# Altium PCB RYA_KiteUp.PcbDoc (part 1 of 3)
Units mil, origin at the board's own origin, x right, y up, seen from the top; angles counter-clockwise.
Board outline 3989.4 x 6289.4 mil, 2 copper layers (Top Layer, Bottom Layer); 144 components, 104 nets, 490 pads, 1685 vias.
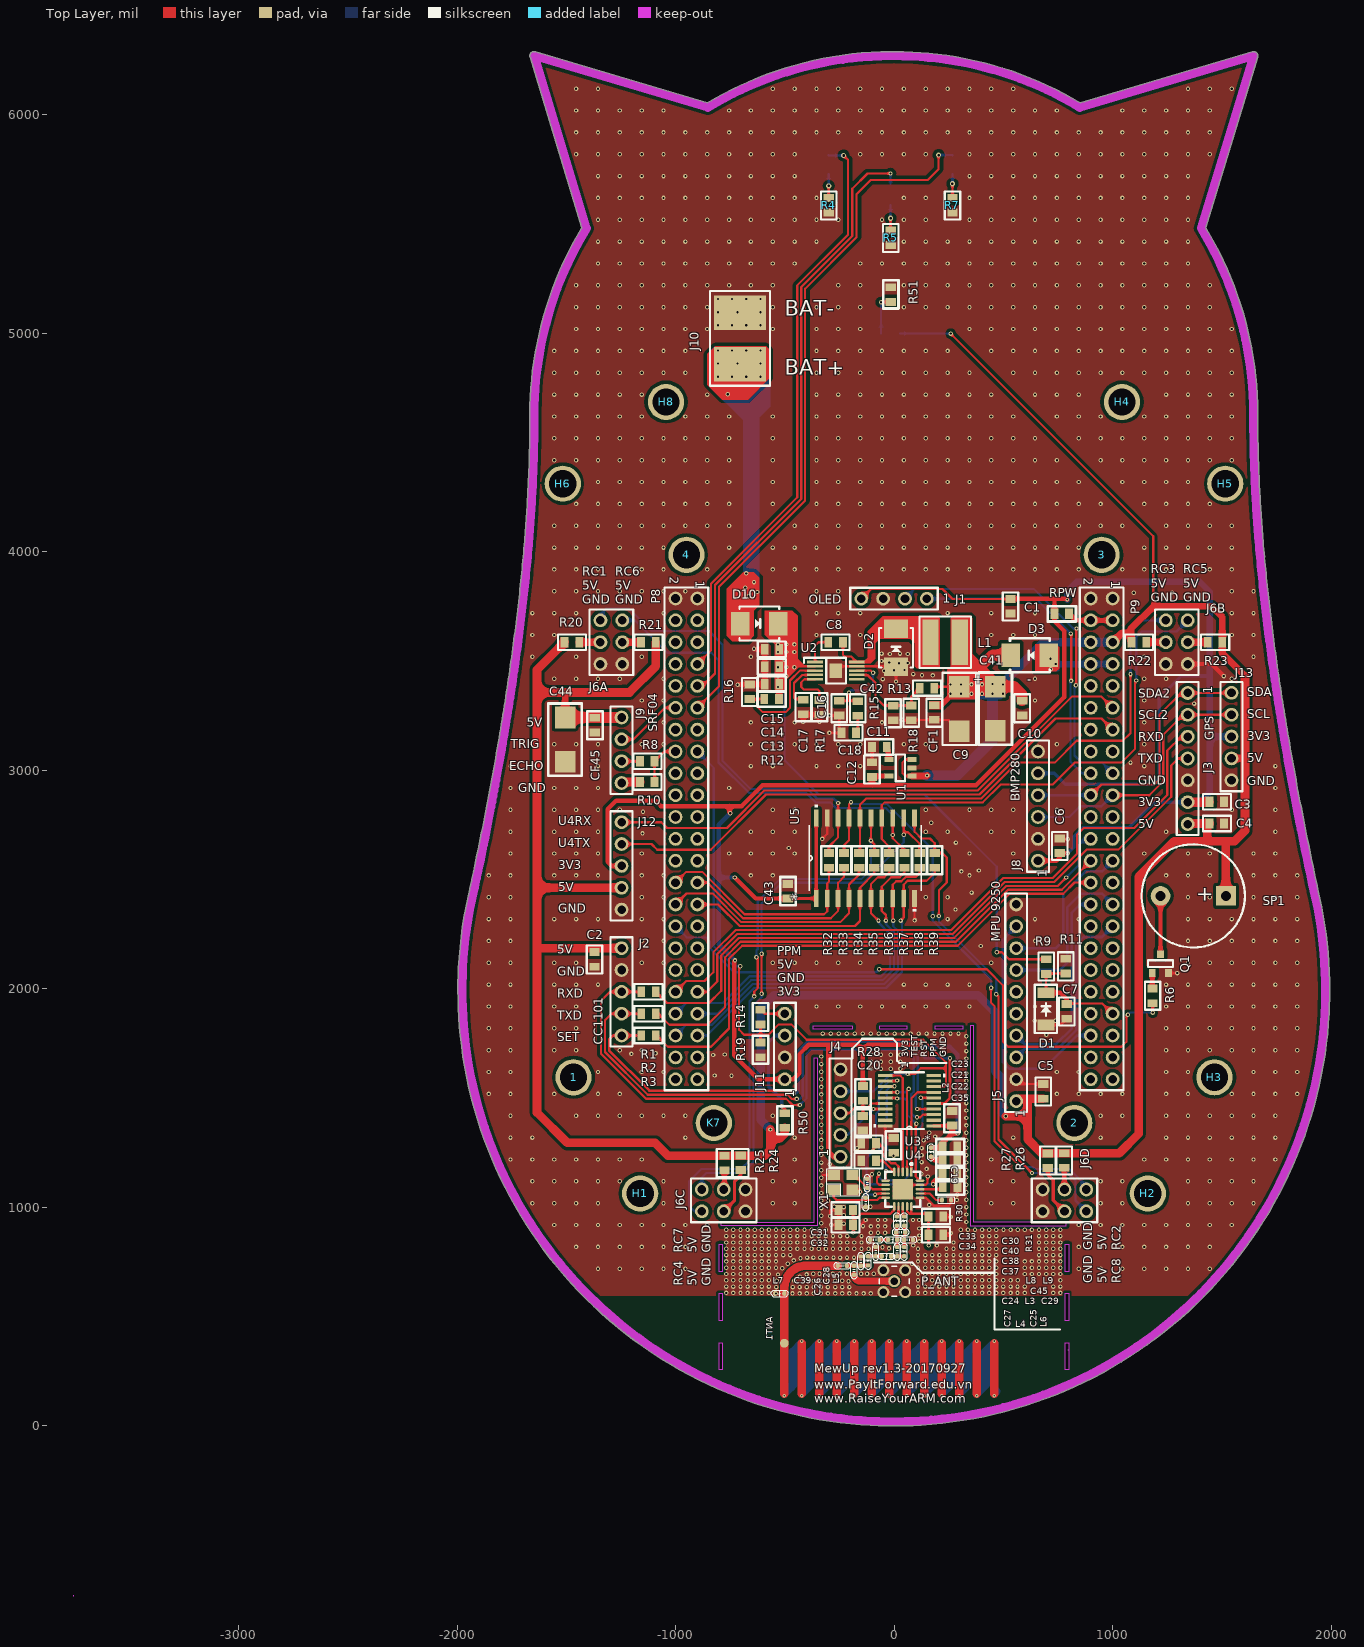
[diagram p0: Top Layer view]
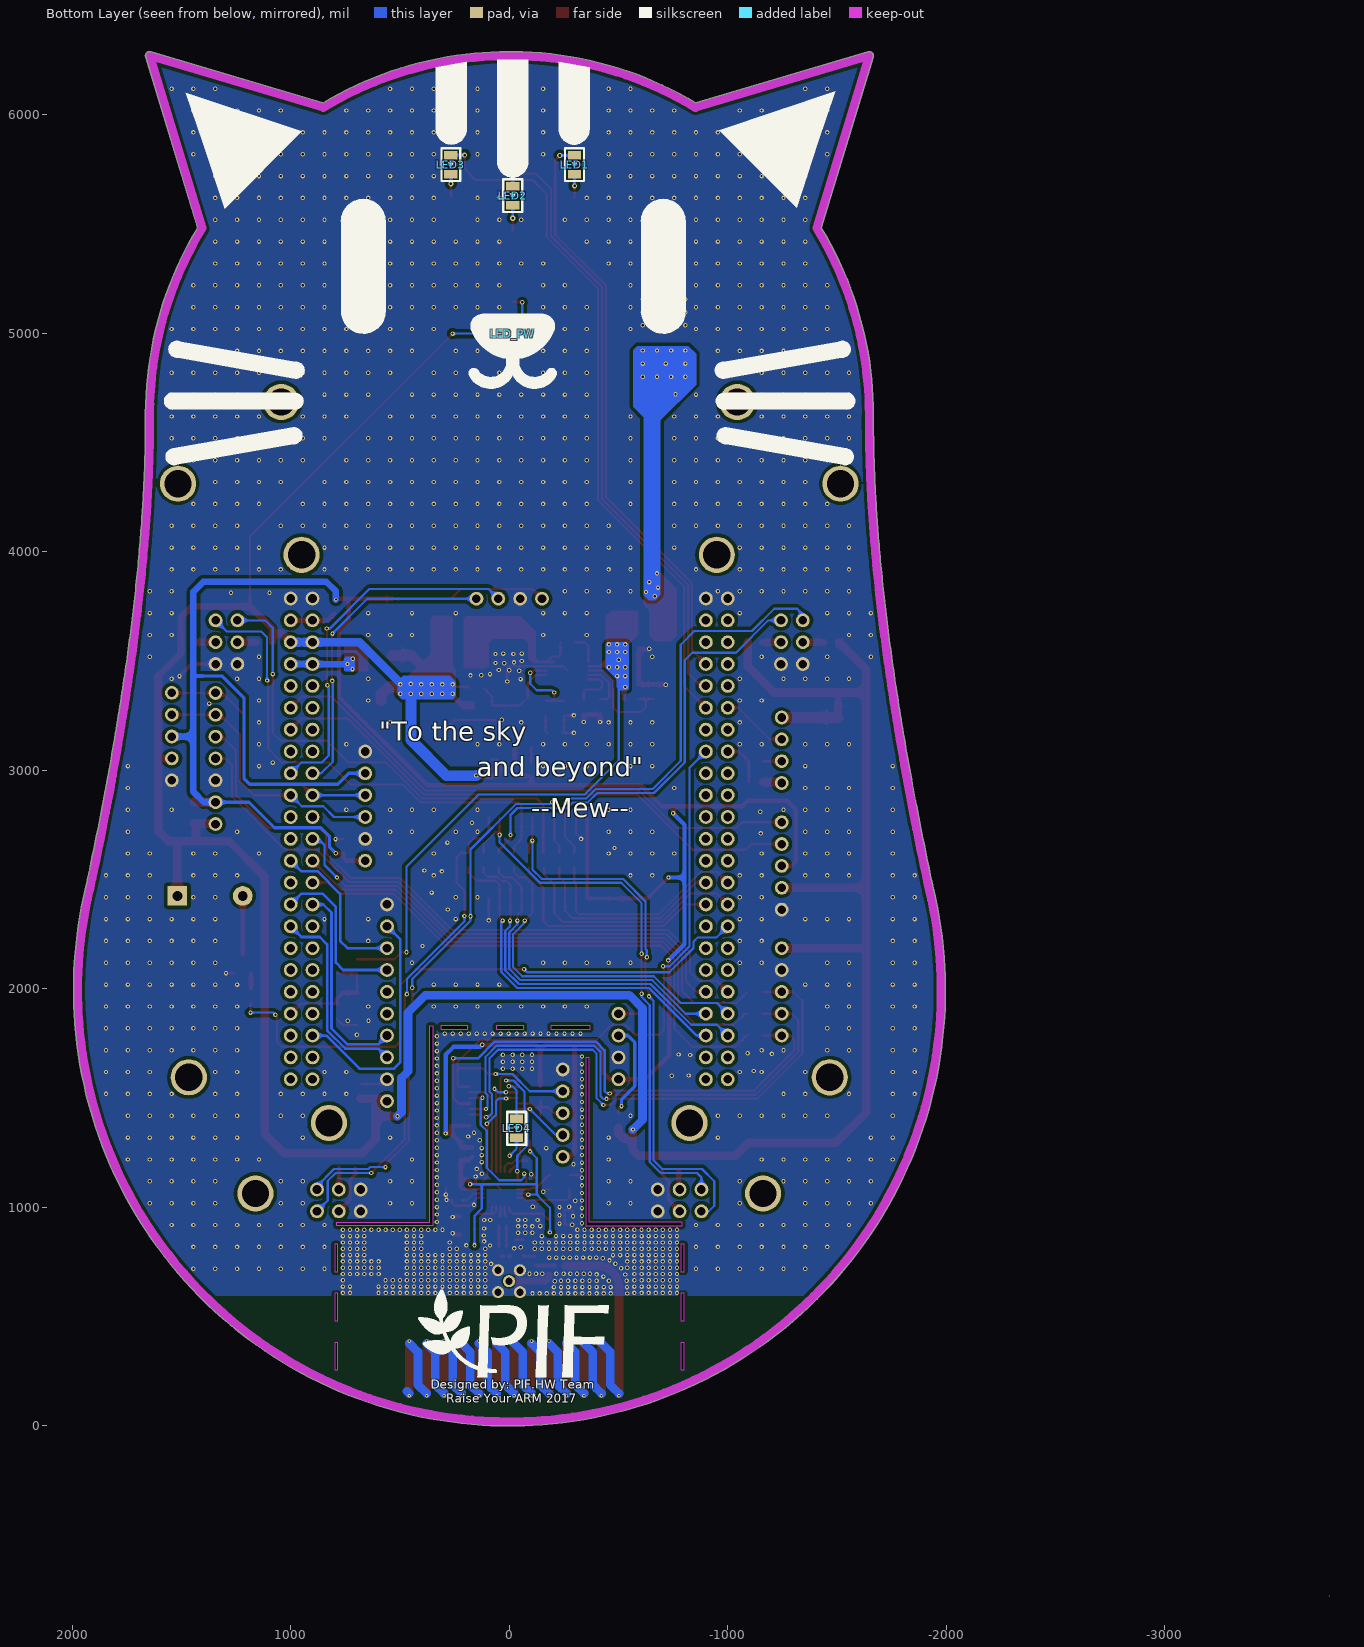
[diagram p1: Bottom Layer view, seen from below]

## Layer stack, top to bottom
Top Solder: solder mask 0.4, Solder Resist, Dk 3.5
Top Layer: signal copper 1.4
Dielectric1: dielectric 12.6, FR-4, Dk 4.8
Bottom Layer: signal copper 1.4
Bottom Solder: solder mask 0.4, Solder Resist, Dk 3.5

## Board outline
5782 vertices, not listed, extent -1995.79,-0.56 1993.61,6288.84
cut-out: -786.1,255.94 -801.1,255.94 -801.1,380.94 -786.1,380.94
cut-out: 798.9,705.94 783.9,705.94 783.9,830.94 798.9,830.94
cut-out: 798.9,480.94 783.9,480.94 783.9,605.94 798.9,605.94
cut-out: 798.9,255.94 783.9,255.94 783.9,380.94 798.9,380.94
cut-out: -786.1,480.94 -801.1,480.94 -801.1,605.94 -786.1,605.94
cut-out: -786.1,705.94 -801.1,705.94 -801.1,830.94 -786.1,830.94
cut-out: 58.9,1815.94 -66.1,1815.94 -66.1,1830.94 58.9,1830.94
cut-out: 313.9,1815.94 188.9,1815.94 188.9,1830.94 313.9,1830.94
cut-out: -191.1,1815.94 -370,1815.94 -370,1830.94 -191.1,1830.94
cut-out: 788.9,930.94 363.9,930.94 363.9,1830.94 348.9,1830.94 348.9,915.94 788.9,915.94
cut-out: -351.1,915.94 -791.1,915.94 -791.1,930.94 -366.1,930.94 -366.1,1684 -351.1,1684

## Design rules (kind name [scope] priority, off if disabled: settings)
Clearance Poligon_Antenna [InNet('PCB_ANT')    OR InNet('NetC26_2')] p1: gap=6 ignorepadtopadclearanceinfootprint=FALSE except(0: Arc-Hole Track-Hole SMDPad-Hole THPad-Hole Via-Hole Fill-Hole Poly-Hole Region-Hole Text-Hole)
Clearance Poligon [InPolygon] p2: gap=15 ignorepadtopadclearanceinfootprint=FALSE except(0: Arc-Hole Track-Hole SMDPad-Hole THPad-Hole Via-Hole Fill-Hole Poly-Hole Region-Hole Text-Hole)
Clearance "IC class" [InComponent('U2') OR InComponent('U4')] p3: gap=6 ignorepadtopadclearanceinfootprint=FALSE except(0: Arc-Hole Track-Hole SMDPad-Hole THPad-Hole Via-Hole Fill-Hole Poly-Hole Region-Hole Text-Hole)
Clearance [All] p4: gap=8 ignorepadtopadclearanceinfootprint=FALSE except(0: Arc-Hole Track-Hole SMDPad-Hole THPad-Hole Via-Hole Fill-Hole Poly-Hole Region-Hole Text-Hole)
ComponentClearance [NOT (InComponent('U5') OR InComponent('R32') OR InComponent('R33') OR InComponent('R34') OR InComponent('R35') OR InComponent('R36') OR InComponent('R37') OR InComponent('R38') OR InComponent('R39'))] p1: gap=10 collisioncheckmode=3 verticalgap=0 showdistances=FALSE
Height [All] p1: minheight=0 maxheight=1500 prefheight=500
HoleSize [All] p1: absolutevalues=TRUE maxlimit=500 minlimit=1 maxpercent=80.000 minpercent=20.000
MatchedLengths I2C2 [InNet('I2C2_SCL') Or InNet('I2C2_SDA')] p1 off: tolerance=19.68 checknetsindiffpair=TRUE checkdiffpairvsdiffpair=FALSE checkxsignals=FALSE checkothers=FALSE
MatchedLengths I2C1 [InNet('I2C1_SCL') Or InNet('I2C1_SDA')] p2 off: tolerance=19.68 checknetsindiffpair=FALSE checkdiffpairvsdiffpair=TRUE checkxsignals=TRUE checkothers=TRUE
MinimumSolderMaskSliver [All] p1 off: minsoldermaskwidth=4
NetAntennae [NOT InNet('PCB_ANT')] p1: netantennaetolerance=0
PlaneConnect [All] p1: planeconnectstyle=Direct reliefexpansion=20 reliefentries=4 reliefconductorwidth=10 reliefairgap=10
PolygonConnect [All] p1: connectstyle=Direct reliefconductorwidth=10 reliefentries=4 polygonreliefangle="90 Angle" airgapwidth=10
RoomDefinition RF [InComponentClass('RF')] p1 off: confinementstyle=ConfineIn formatcopy=TRUE lockcomponents=FALSE outline -3755,-781 -1755,-781 -1755,219 -3755,219
RoomDefinition RYA_KiteUp [InComponentClass('RYA_KiteUp')] p2 off: confinementstyle=ConfineIn formatcopy=TRUE lockcomponents=FALSE outline -3755,-781 -1755,-781 -1755,219 -3755,219
RoutingVias Power [InNet('GND') Or InNet('3V3') Or InNet('5V')Or InNet('VBAT')] p1: holewidth=10 width=20 viastyle="Through Hole" minholewidth=6 minwidth=12 maxholewidth=200 maxwidth=250
RoutingVias RoutingVias_1 [All] p2: holewidth=10 width=20 viastyle="Through Hole" minholewidth=8 minwidth=16 maxholewidth=80 maxwidth=100
SilkToSilkClearance [All] p1 off: silktosilkclearance=10
SilkToSolderMaskClearance [IsPad] p1 off: minsilkscreentomaskgap=10 clearancetoexposedcopper=TRUE
SolderMaskExpansion [All] p1: expansion=4
Width "Power Width" [InNet('GND') Or InNet('3V3') Or InNet('5V') Or InNet('VBAT')] p1: maxlimit=200 minlimit=10 preferedwidth=40 minimp=50.000000 maximp=50.000000 favimp=50.000000
Width [All] p2: maxlimit=200 minlimit=6 preferedwidth=10 minimp=50.000000 maximp=50.000000 favimp=50.000000
22 further rules are at their usual default settings.

## Classes and differential pairs
component class RYA_KiteUp: 1 2 3 4 C1 C2 C3 C4 C5 C6 C7 C8 C9 C10 C11 C12 C13 C14 C15 C16 C17 C18 C41 C42 C43 C44 CF1 CF45 D1 D2 D3 D10 H1 H2 H3 H4 H5 H6 H8 J1 J2 J3 J5 J6A J6B J6C J6D J8 J9 J10 J11 J12 J13 K7 L1 LED1 LED2 LED3 LED_PW P8 P9 Q1 R1 R2 R3 R4 R5 R6 R7 R8 R9 R10 R11 R12 R13 R14 R15 R16 R17 R18 R19 R20 R21 R22 R23 R24 R25 R26 R27 R32 R33 R34 R35 R36 R37 R38 R39 R50 R51 R? RPW SP1 U1 U2 U5
component class RF: ANT1 C19 C20 C21 C22 C23 C24 C25 C26 C27 C28 C29 C30 C31 C32 C33 C34 C35 C37 C38 C39 C40 C45 J4 L2 L3 L4 L5 L6 L7 L8 L9 LED4 P_ANT R28 R30 R31 U3 U4 X1

## Components (designator, comment, footprint, x,y, rotation, side; value= is the part's Value field where it differs from the comment)
1 "Hole" Screw_3.2 -1466.8,1594.76 r90 top
2 "Hole" Screw_3.2 825.03,1385.93 r90 top
3 "Hole" Screw_3.2 950.03,3985.93 r90 top
4 "Hole" Screw_3.2 -949.97,3985.93 r90 top
ANT1 "Socket" 433_Antenna -502.1,377.94 r0 top
C1 "100nF" "CAP 0603(1508)" 532.9,3716.94 r90 top
C2 "100nF" "CAP 0603(1508)" -1371.1,2100.94 r90 top
C3 "100nF" "CAP 0603(1508)" 1509.9,2755.94 r180 top
C4 "100nF" "CAP 0603(1508)" 1509.9,2855.94 r180 top
C5 "100nF" "CAP 0603(1508)" 682,1497 r90 top
C6 "100nF" "CAP 0603(1508)" 757.9,2620.94 r90 top
C7 "1uF" "CAP 0603(1508)" 789.9,1862.94 r90 top
C8 "0.1uF" "CAP 0603(1508)" -301.1,3585.94 r0 top
C9 "47uF-tanta" CAP_TAN_2312(6032) 298.9,3280.94 r270 top
C10 "1uF" "CAP 0603(1508)" 586,3251 r90 top
C11 "0.01uF" "CAP 0603(1508)" -100.9,3106.06 r0 top
C12 "2.2uF" "CAP 0603(1508)" -100.9,3036.06 r270 top
C13 "2.2uF" "CAP 0603(1508)" -592.29,3393.15 r0 top
C14 "2.2uF" "CAP 0603(1508)" -592.29,3473.19 r0 top
C15 "0.1uF" "CAP 0603(1508)" -592.29,3553.23 r0 top
C16 "10pF" "CAP 0603(1508)" -251.1,3250.94 r90 top
C17 "0.01uF" "CAP 0603(1508)" -416.1,3255.94 r90 top
C18 "2.2nF" "CAP 0603(1508)" -241.1,3170.94 r0 top
C19 "0.1uF" "CAP 0603(1508)" 266,1374.07 r90 top
C20 "1nF" "CAP 0603(1508)" -143.44,1418.22 r270 top
C21 "0.1uF" "CAP 0603(1508)" 289,1216.15 r180 top
C22 "2.2UF 10V X5R 0603" "CAP 0603(1508)" 289,1155 r180 top
C23 "4.7UF 10V X5R 0603" "CAP 0603(1508)" 289,1277.3 r180 top
C24 "" C0402_TYPE2 -88.1,851.94 r0 top
C25 "" C0402_TYPE2 13.9,796.94 r270 top
C26 "" C0402_TYPE2 -183.1,711.94 r270 top
C27 "" C0402_TYPE2 -84.1,796.94 r270 top
C28 "" C0402_TYPE2 -152.1,753.94 r270 top
C29 "" C0402_TYPE2 65.9,851.94 r0 top
C30 "0.1uF" "CAP 0603(1508)" -150.1,1292.94 r0 top
C31 "0.1uF" "CAP 0603(1508)" -254.43,987.98 r0 top
C32 "0.1uF" "CAP 0603(1508)" -254.43,919.91 r0 top
C33 "0.1uF" "CAP 0603(1508)" 224.9,957.98 r180 top
C34 "0.1uF" "CAP 0603(1508)" 224.9,874.91 r180 top
C35 "0.1uF" "CAP 0603(1508)" 289.9,1092.94 r180 top
C37 "10pF-50V" C0402_TYPE2 -130.1,1022.94 r90 top
C38 "10pF-50V" C0402_TYPE2 -123.1,1109.94 r270 top
C39 "" C0402_TYPE2 -237.1,732.94 r180 top
C40 "0.1uF" "CAP 0603(1508)" -150.1,1212.94 r0 top
C41 "47uF-tanta" CAP_TAN_2312(6032) 463,3281.85 r270 top
C42 "10pF" "CAP 0603(1508)" -4,3228.5 r90 top
C43 "100nF" "CAP 0603(1508)" -486,2480 r270 top
C44 "47uF-tanta" CAP_TAN_2312(6032) -1505,3140 r270 top
C45 "" C0402_TYPE2 30,886 r0 top
CF1 "0.1uF" "CAP 0603(1508)" 183.9,3230.59 r90 top
CF45 "0.1uF" "CAP 0603(1508)" -1369,3173.07 r90 top
D1 "ZMM1.8V" ZMM1.8V 694.9,1907.94 r90 top
D2 "SS24" SS24 8.9,3560.94 r90 top
D3 "SS14" SS24 621,3526 r180 top
D10 "SS14" SS24 -616.1,3670.94 r0 top
H1 "Hole" Screw_3.2 -1161.68,1063.27 r0 top
H2 "Hole" Screw_3.2 1161.15,1063.27 r0 top
H3 "Hole" Screw_3.2 1466.27,1594.76 r0 top
H4 "Hole" Screw_3.2 1043.04,4685.31 r0 top
H5 "Hole" Screw_3.2 1515.48,4311.3 r0 top
H6 "Hole" Screw_3.2 -1516.01,4311.3 r0 top
H8 "Hole" Screw_3.2 -1043.57,4685.31 r0 top
J1 "OLED" "Header 4" -0.1,3784.94 r180 top
J2 "CC1101" "Header 5" -1247.04,1985.93 r90 top
J3 "GPS_Compass" "Header 7" 1343.82,3053.78 r270 top locked
J4 "Header 5" "Header 5" -245.1,1430.94 r90 top
J5 "MPU9250" "Header 10" 559,1936 r90 top
J6A "Header 3x2" "Header 3x2" -1293.67,3585.93 r270 top locked
J6B "Header 3x2" "Header 3x2" 1293.73,3585.93 r270 top locked
J6C "Header 3x2" "Header 3x2" -779.69,1031.6 r0 top
J6D "Header 3x2" "Header 3x2" 779.76,1031.6 r180 top locked
J8 "BMP-280" "Header 6" 658.79,2835.93 r90 top
J9 "SRF05" "Header 4" -1247.04,3091.51 r270 top
J10 "Battery In" BATTERYPAD -705.1,4975.94 r90 top
J11 "RC IN" "Header 4" -499.97,1735.93 r90 top locked
J12 "Header 5" "Header 5" -1247.04,2562.27 r270 top
J13 "Header 5" "Header 5" 1544.12,3154.17 r270 top
K7 "Hole" Screw_3.2 -824.97,1385.93 r0 top
L1 "10uH" "Inductor SMD 48x48x28mm" 233.9,3585.94 r270 top
L2 "" L0402_TYPE2 169,1252 r90 top
L3 "" L0402_TYPE2 -6.1,851.94 r0 top
L4 "" L0402_TYPE2 -35.1,775.94 r0 top
L5 "" L0402_TYPE2 -119.1,754.94 r90 top
L6 "" L0402_TYPE2 45.9,796.94 r90 top
L7 "" L0402_TYPE2 -523.1,605.94 r180 top
L8 "" L0402_TYPE2 13,937 r90 top
L9 "" L0402_TYPE2 47,937 r90 top
LED1 "LED_BLUE" LED0805BLUE -299,5771 r270 bottom value=Blue
LED2 "LED_BLUE" LED0805BLUE -16.1,5628.94 r270 bottom value=Blue
LED3 "LED_BLUE" LED0805BLUE 267,5771 r270 bottom value=Blue
LED4 "LED_BLUE" LED0805BLUE -33.51,1361 r270 bottom value=Blue
LED_PW "LED_BLUE" LED0805BLUE -16,4998 r180 bottom value=Blue
P8 "P8" "Header 46" -949.97,2685.93 r270 top locked
P9 "P9" "Header 46" 950.03,2685.93 r270 top locked
P_ANT "COAX-M" MMCX2.54-V5 0.9,661.94 r0 top
Q1 "MMBT3904" MMBT3904 1219,2115 r0 top
R1 "0" "RES 0603(1508)" -1157.1,1985.94 r0 top
R2 "0" "RES 0603(1508)" -1157.1,1885.94 r0 top
R3 "0" "RES 0603(1508)" -1157.1,1785.94 r0 top
R4 "1k" "RES 0603(1508)" -299,5552 r90 top
R5 "1k" "RES 0603(1508)" -15,5403.07 r90 top
R6 "10k" "RES 0603(1508)" 1183,2000.93 r270 top
R7 "1k" "RES 0603(1508)" 267,5552 r90 top
R8 "2.7k" "RES 0603(1508)" -1095.9,3040.94 r180 top
R9 "10k" "RES 0603(1508)" 695.9,2134.94 r270 top
R10 "4.7k" "RES 0603(1508)" -1095.9,2945.94 r180 top
R11 "1k" "RES 0603(1508)" 785,2070 r90 top
R12 "332k" "RES 0603(1508)" -526.94,3325.94 r180 top
R13 "52.3k" "RES 0603(1508)" 183.9,3375.94 r180 top
R14 "2k7, 1/4W" "RES 0603(1508)" -610.94,1903.9 r270 top
R15 "90.9k" "RES 0603(1508)" -166.1,3316.3 r270 top
R16 "61.9k" "RES 0603(1508)" -661.1,3325.94 r90 top
R17 "90.9k" "RES 0603(1508)" -341.1,3321.3 r270 top
R18 "10k" "RES 0603(1508)" 78.9,3295.94 r270 top
R19 "4k7, 1/4W (DNP)" "RES 0603(1508)" -610.94,1753.9 r270 top
R20 "0R (DNP)" "RES 0603(1508)" -1441.1,3585.94 r180 top
R21 "0R" "RES 0603(1508)" -1091.1,3585.94 r180 top
R22 "0R (DNP)" "RES 0603(1508)" 1153.9,3585.94 r180 top
R23 "0R (DNP)" "RES 0603(1508)" 1502.01,3585.93 r180 top
R24 "0R (DNP)" "RES 0603(1508)" -701.1,1170.59 r90 top
R25 "0R (DNP)" "RES 0603(1508)" -776.1,1235.94 r270 top
R26 "0R (DNP)" "RES 0603(1508)" 778.9,1180.94 r90 top
R27 "0R (DNP)" "RES 0603(1508)" 703.9,1246.3 r270 top
R28 "47K, 1/4W" "RES 0603(1508)" -142.54,1554.91 r270 top
R30 "56k-1%" R0402_TYPE2 239.9,1032.94 r180 top
R31 "1k" "RES 0603(1508)" -2,1317 r270 top
R32 "0R-DNP" "RES 0603(1508)" -298,2620.93 r270 top
R33 "0R-DNP" "RES 0603(1508)" -228.86,2620.93 r270 top
R34 "0R-DNP" "RES 0603(1508)" -159.71,2620.93 r270 top
R35 "0R-DNP" "RES 0603(1508)" -90.57,2620.93 r270 top
R36 "0R-DNP" "RES 0603(1508)" -21.43,2620.93 r270 top
R37 "0R-DNP" "RES 0603(1508)" 47.71,2620.93 r270 top
R38 "0R-DNP" "RES 0603(1508)" 116.86,2620.93 r270 top
R39 "0R-DNP" "RES 0603(1508)" 186,2620.93 r270 top
R50 "0R-DNP" "RES 0603(1508)" -500.04,1430.93 r270 top
R51 "2.7k" "RES 0603(1508)" -15,5209.93 r270 top
RPW "0R (DNP)" "RES 0603(1508)" 801,3716 r180 top
SP1 "Speaker" Buzzer 1369,2425 r180 top
U1 "LP2985" LP2985 29.1,3011.06 r90 top
U2 "TPS54160" TPS54160 -266.1,3455.94 r270 top
U3 "MSP430G2553_PW_2" PW20 70.1,1487.98 r180 top locked value=Value
U4 "CC110LRGPR" VQFN20 39.9,1082.94 r270 top locked
U5 "SN74HCT245_DB_20" DW20 -131,2598 r90 top locked value=Value
X1 "26.0000MHZ" Crystal-3.2x2.5 -276.1,1080.94 r0 top

## Footprints (in the part's own frame and the unit in brackets; to place one, negate y for a bottom-side part, rotate by r counter-clockwise, add the part's x,y. Pads: shape width x height; smd on the part's side, far side on the other; paste and mask are expansions set on the pad)
433_Antenna [mil]
  round 40 / inner round 0 / far side round 0 all layers, no hole: 1(0,0)
  Top Layer lines w40: 0,-230 0,0 ; 80,-230 80,0 ; 160,-230 160,0 ; 240,-230 240,0 ; 320,-230 320,0 ; 400,-230 400,0 ; 480,-230 480,0 ; 560,-230 560,0 ; 640,-230 640,0 ; 720,-230 720,0 ; 800,-230 800,0 ; 880,-230 880,0 ; 960,-230 960,0
  Bottom Layer lines w40: 0,-230 30,-200 40,-190 40,-40 80,0 ; 80,-230 120,-190 120,-40 160,0 ; 160,-230 200,-190 200,-40 240,0 ; 240,-230 280,-190 280,-40 320,0 ; 320,-230 360,-190 360,-40 400,0 ; 400,-230 440,-190 440,-40 480,0 ; 480,-230 520,-190 520,-40 560,0 ; 560,-230 600,-190 600,-40 640,0 ; 640,-230 680,-190 680,-40 720,0 ; 720,-230 760,-190 760,-40 800,0 ; 800,-230 840,-190 840,-40 880,0 ; 880,-230 920,-190 920,-40 960,0 ; 960,-230 970,-220
BATTERYPAD [mm]
  rect 4x6 smd mask+0.1: 1(-3,0) 2(3,0)
  silkscreen extent -5.5,-3.5 5.5,3.5
Buzzer [mil]
  rect 90x90 hole 45: 1(-149.61,0)
  round 90 hole 45: 2(149.61,0)
  silkscreen extent -236,-236 236,236, body extent -372,-236 237,236, height 380
C0402_TYPE2 [mm]
  oval 0.5x0.6 smd: 1(-0.533,0) 2(0.533,0)
  silkscreen extent -0.99,-0.37 0.98,0.37, body extent -0.5,-0.25 0.5,0.25, height 0.5
"CAP 0603(1508)" [mm] "Capacitor 0603"
  rect 0.9x1.2 smd mask+0.1: 1(0,0) 2(1.7,0)
  silkscreen extent -0.8,-0.9 2.46,0.9, body extent 0.05,-0.43 1.65,0.43, height 0.83
CAP_TAN_2312(6032) [mm] "Tantalum Capacitor type C 6032"
  rect 2.5x2.4 smd mask+0.1: 1(-2.575,0) 1(-2.575,0) 2(2.575,0)
  silkscreen extent -4.2,-1.95 4.2,1.95, body extent -3.15,-1.75 3.15,1.75, height 2.8
Crystal-3.2x2.5 [mm] "DSX321G"
  rect 1.4x1.2 smd: 1(0,0) 2(2.2,0) 3(2.2,1.7) 4(0,1.7)
  silkscreen extent -0.8,-0.7 3,2.4, body extent -0.52,-0.37 2.68,2.13, height 0.93
DW20 [mil]
  rect 78x22 smd: 1(-184.5,225) 2(-184.5,175) 3(-184.5,125) 4(-184.5,75) 5(-184.5,25) 6(-184.5,-25) 7(-184.5,-75) 8(-184.5,-125) 9(-184.5,-175) 10(-184.5,-225) 11(184.5,-225) 12(184.5,-175) 13(184.5,-125) 14(184.5,-75) 15(184.5,-25) 16(184.5,25) 17(184.5,75) 18(184.5,125) 19(184.5,175) 20(184.5,225)
  silkscreen extent -244,-256 244,256, body extent -210,-256 210,256, height 104
"Header 3x2" [mm]
  round 1.6 hole 1 mask+0.1: 1(-2.54,-1.27) 2(-2.54,1.27) 3(0,-1.27) 4(0,1.27) 5(2.54,-1.27) 6(2.54,1.27)
  silkscreen extent -3.81,-2.54 3.81,2.54, body extent -3.85,-2.55 3.77,2.53, height 8.5
"Header 4" [mm]
  round 1.6 hole 1 mask+0.1: 1(-3.81,0) 2(-1.27,0) 3(1.27,0) 4(3.81,0)
  silkscreen extent -5.08,-1.27 5.08,1.27, body extent -5.08,-1.27 5.08,1.27, height 6.02
"Header 5" [mm]
  round 1.6 hole 1 mask+0.1: 1(-5.08,0) 2(-2.54,0) 3(0,0) 4(2.54,0) 5(5.08,0)
  silkscreen extent -6.35,-1.27 6.35,1.27, body extent -6.35,-1.27 6.35,1.27, height 6.02
"Header 6" [mm]
  round 1.6 hole 1 mask+0.1: 1(-6.35,0) 2(-3.81,0) 3(-1.27,0) 4(1.27,0) 5(3.81,0) 6(6.35,0)
  silkscreen extent -7.62,-1.27 7.62,1.27, body extent -7.62,-1.27 7.62,1.27, height 6.02
"Header 7" [mm]
  round 1.6 hole 1 mask+0.1: 1(-7.62,0) 2(-5.08,0) 3(-2.54,0) 4(0,0) 5(2.54,0) 6(5.08,0) 7(7.62,0)
  silkscreen extent -8.89,-1.27 8.89,1.27, body extent -8.89,-1.27 8.89,1.27, height 6.02
"Header 10" [mm]
  round 1.6 hole 1 mask+0.1: 1(-11.43,0) 2(-8.89,0) 3(-6.35,0) 4(-3.81,0) 5(-1.27,0) 6(1.27,0) 7(3.81,0) 8(6.35,0) 9(8.89,0) 10(11.43,0)
  silkscreen extent -12.7,-1.27 12.7,1.27, body extent -12.7,-1.27 12.7,1.27, height 6.02
"Header 46" [mm]
  round 1.6 hole 1 mask+0.1: 1(-27.94,1.27) 2(-27.94,-1.27) 3(-25.4,1.27) 4(-25.4,-1.27) 5(-22.86,1.27) 6(-22.86,-1.27) 7(-20.32,1.27) 8(-20.32,-1.27) 9(-17.78,1.27) 10(-17.78,-1.27) 11(-15.24,1.27) 12(-15.24,-1.27) 13(-12.7,1.27) 14(-12.7,-1.27) 15(-10.16,1.27) 16(-10.16,-1.27) 17(-7.62,1.27) 18(-7.62,-1.27) 19(-5.08,1.27) 20(-5.08,-1.27) 21(-2.54,1.27) 22(-2.54,-1.27) 23(0,1.27) 24(0,-1.27) 25(2.54,1.27) 26(2.54,-1.27) 27(5.08,1.27) 28(5.08,-1.27) 29(7.62,1.27) 30(7.62,-1.27) 31(10.16,1.27) 32(10.16,-1.27) 33(12.7,1.27) 34(12.7,-1.27) 35(15.24,1.27) 36(15.24,-1.27) 37(17.78,1.27) 38(17.78,-1.27) 39(20.32,1.27) 40(20.32,-1.27) 41(22.86,1.27) 42(22.86,-1.27) 43(25.4,1.27) 44(25.4,-1.27) 45(27.94,1.27) 46(27.94,-1.27)
  silkscreen extent -29.21,-2.54 29.21,2.54, body extent -29.24,-2.57 29.18,2.51, height 5.94
"Inductor SMD 48x48x28mm" [mm]
  rect 5.3x1.9 smd mask+0.1: 1(0,-1.7) 2(0,1.7)
  silkscreen extent -3,-3 3,3, body extent -2.4,-2.4 2.4,2.4, height 2.7
L0402_TYPE2 [mm]
  oval 0.5x0.6 smd: 1(-0.533,0) 2(0.533,0)
  silkscreen extent -0.98,-0.37 0.99,0.37, body extent -0.5,-0.3 0.5,0.3, height 0.5
LED0805BLUE [mm] "598 series"
  rect 1x1.55 smd mask+0.1: 1(-1.1,0) 2(1.1,0)
  silkscreen extent -1.91,-1.1 1.9,1.1, body extent -1.01,-0.63 1.01,0.62, height 1.1
LP2985 [mm]
  rect 0.6x1.05 smd mask+0.07: 1(-0.95,-1.35) 2(0,-1.35) 3(0.95,-1.35) 4(0.95,1.35) 5(-0.95,1.35)
  silkscreen extent -1.55,-0.55 1.55,0.55, body extent -1.52,-1.5 1.53,1.5, height 1.3
MMBT3904 [mm] "NPN 40V transistor"
  rect 0.8x0.9 smd mask+0.1: 1(-0.95,-1.1) 2(0.95,-1.1) 3(0,1.1)
  silkscreen extent -1.45,-0.39 1.45,0.39, body extent -1.44,-1.18 1.46,1.19, height 1
MMCX2.54-V5 [mm] "Connector; RF Coaxial, MMCX, Thru-Hole; 5 Position; Vertical"
  round 1.4 hole 0.85: 1(0,0) 2(-1.27,-1.27) 3(1.27,-1.27) 4(1.27,1.27) 5(-1.27,1.27)
  silkscreen extent -1.75,-1.75 1.75,1.75
PW20 [mil]
  rect 66x14 smd: 1(-111,115.16) 2(-111,89.57) 3(-111,63.98) 4(-111,38.39) 5(-111,12.8) 6(-111,-12.8) 7(-111,-38.39) 8(-111,-63.98) 9(-111,-89.57) 10(-111,-115.16) 11(111,-115.16) 12(111,-89.57) 13(111,-63.98) 14(111,-38.39) 15(111,-12.8) 16(111,12.8) 17(111,38.39) 18(111,63.98) 19(111,89.57) 20(111,115.16)
  silkscreen extent -164,-130 164,130, body extent -130,-130 130,130, height 47
R0402_TYPE2 [mm]
  oval 0.5x0.6 smd: 1(-0.533,0) 2(0.533,0)
  silkscreen extent -0.98,-0.37 0.99,0.37, body extent -0.5,-0.25 0.5,0.25, height 0.35
"RES 0603(1508)" [mm] "Resistor 0603"
  rect 0.9x1.2 smd mask+0.1: 1(0,0) 2(1.7,0)
  silkscreen extent -0.8,-0.9 2.46,0.9, body extent 0,-0.4 1.7,0.4, height 0.56
Screw_3.2 [mil]
  oval 166x165 hole 125: 1(0,0)
SS24 [mil]
  rect 85x107.99 smd mask+3.94: 1(-87.01,0) 2(87.01,0)
  silkscreen extent -91,-78 91,78, body extent -104,-73 104,73, height 87
TPS54160 [mm]
  rect 0.3x1.85 smd mask+0.05: 1(-1,-2.425) 2(-0.5,-2.425) 3(0,-2.425) 4(0.5,-2.425) 5(1,-2.425) 6(1,2.425) 7(0.5,2.425) 8(0,2.425) 9(-0.5,2.425) 10(-1,2.425)
  rect 1.675x1.445 smd mask+0.1: 11(0,0)
  silkscreen extent -1.5,-3.72 1.5,1.18, body extent -1.55,-2.52 1.55,2.52, height 1.1
VQFN20 [mm]
  rect 1x0.28 smd: 1(-2,1)
  oval 1x0.28 smd: 2(-2,0.5) 3(-2,0) 4(-2,-0.5) 5(-2,-1) 11(2,-1) 12(2,-0.5) 13(2,0) 14(2,0.5) 15(2,1)
  oval 0.28x1 smd: 6(-1,-2) 7(-0.5,-2) 8(0,-2) 9(0.5,-2) 10(1,-2) 16(1,2) 17(0.5,2) 18(0,2) 19(-0.5,2) 20(-1,2)
  rect 2.4x2.4 smd: 21(0,0)
  silkscreen extent -3.05,-2.03 2.03,2.03, body extent -2.02,-2.02 2.02,2.02, height 0.82
ZMM1.8V [mm]
  rect 1.25x2 smd mask+0.1: 1(-1.875,0) 2(1.875,0)
  silkscreen extent -2.8,-1.3 2.8,1.3, body extent -1.82,-0.8 1.88,0.8, height 1.6